# KiCad board keyboard.kicad_pcb
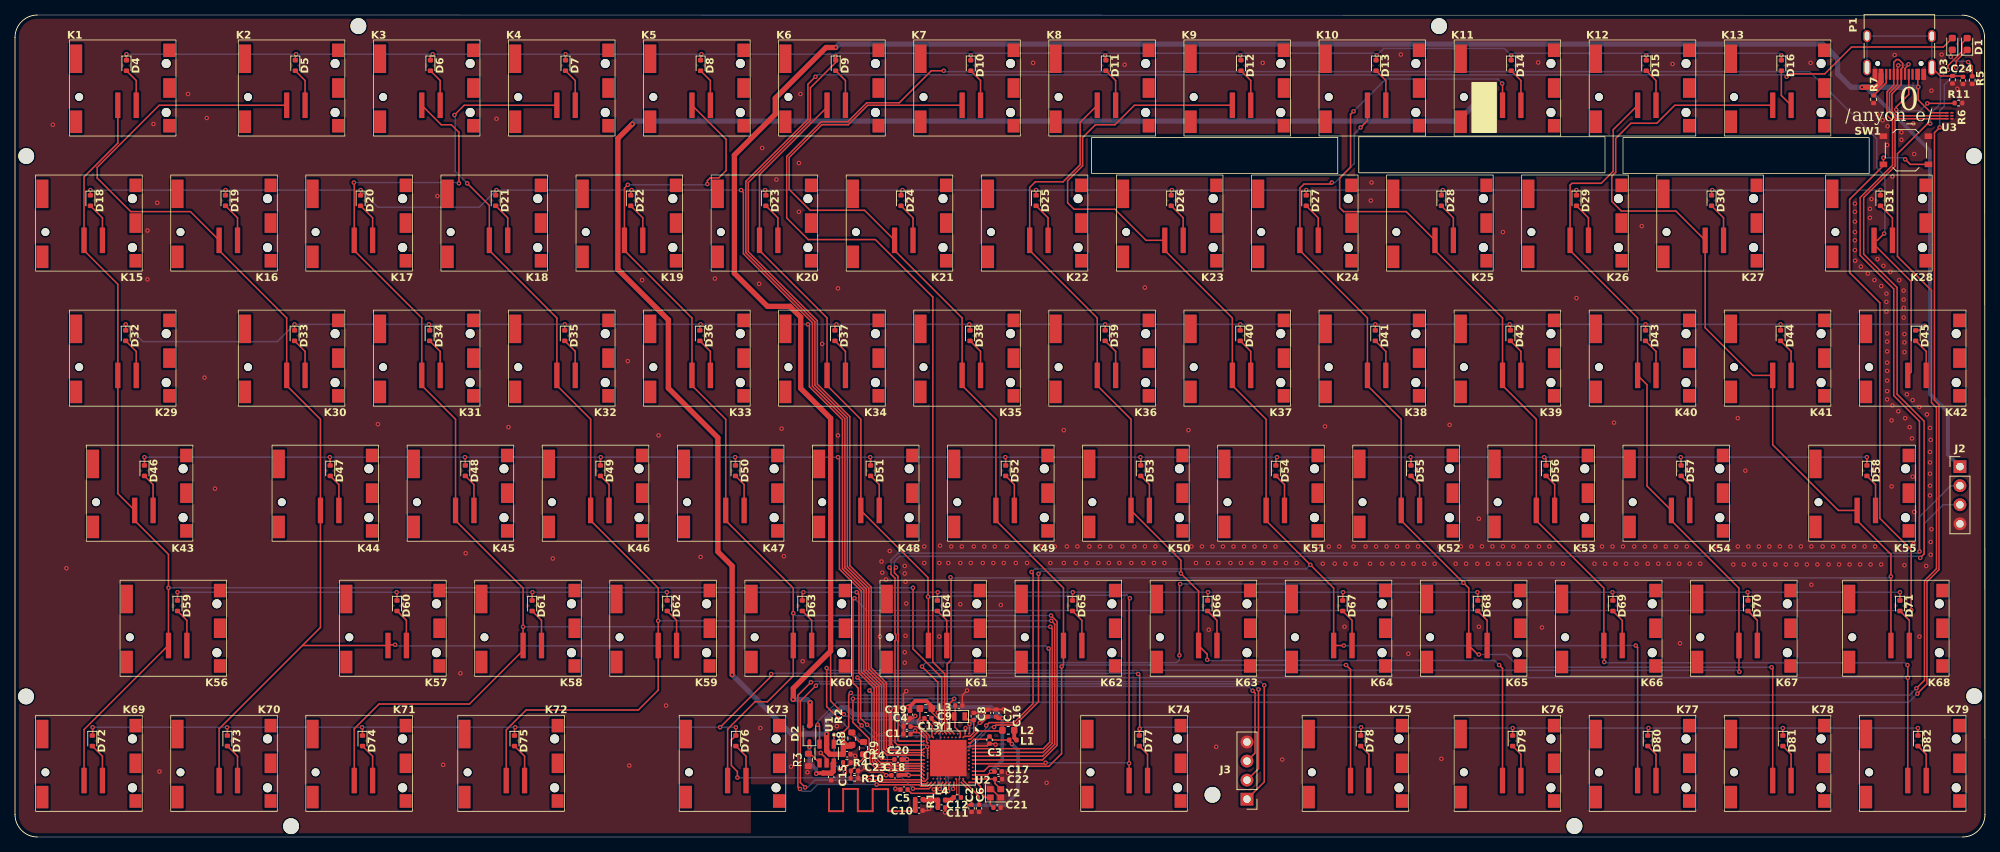
[diagram p0: board, top side]
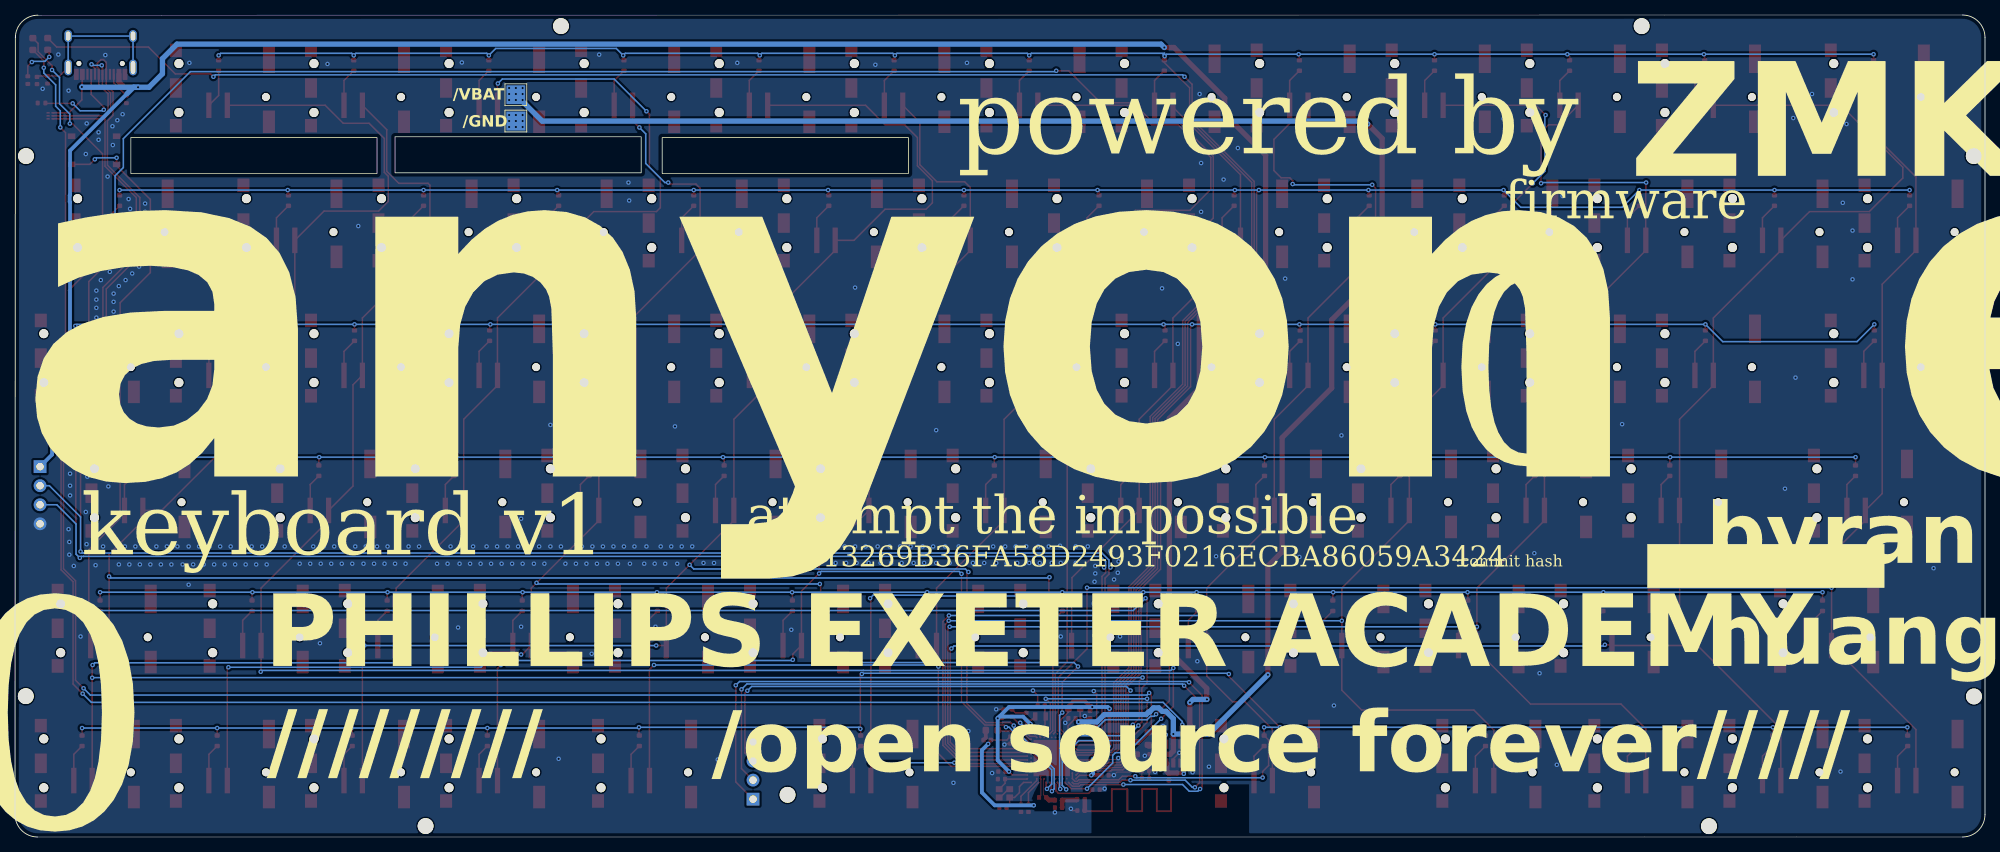
[diagram p1: board, bottom side, seen from below]

Outline 262.48 x 109.55 mm; copper layers: Top, Bottom. Coordinates in mm from the lower left corner of the outline.
Outline path: rectangle 143.45,93.22 176.25,88.42 ; rectangle 179.05,93.32 211.85,88.52 ; rectangle 214.25,93.22 247.05,88.42 ; 0,106.55 arc(0.88,108.67) 3,109.55 42.65,109.55 242.98,109.53 259.43,109.53 arc(261.56,108.65) 262.43,106.53 262.48,3 arc(261.6,0.88) 259.48,0 3,0 arc(0.88,0.88) 0,3 0,106.55

## Placement (name value [footprint] x y rotation side)
AE1  Antenna  [2.4GHz-meander-antenna-v2]  113.34 4.91 0 top
C1  4.7uF  [C_0402_1005Metric]  118.85 13.72 0 top
C2  1uF  [C_0402_1005Metric]  127.45 3.82 90 top
C3  47nF  [C_0402_1005Metric]  129.85 12.92 90 top
C4  4.7uF  [C_0402_1005Metric]  118.85 14.72 180 top
C5  1nF  [C_0402_1005Metric]  118.45 6.32 180 top
C6  100pF  [C_0402_1005Metric]  128.45 3.82 270 top
C7  100nF  [C_0402_1005Metric]  129.65 16.52 90 top
C8  15pF  [C_0402_1005Metric]  127.75 16.07 270 top
C9  15pF  [C_0402_1005Metric]  125.75 17.52 180 top
C10  1.5pF  [C_0402_1005Metric]  120.45 3.52 180 top
C11  1pF  [C_0402_1005Metric]  123.45 3.92 180 top
C12  1pF  [C_0402_1005Metric]  125.55 5.27 180 top
C13  4.7uF  [C_0402_1005Metric]  121.65 15.82 180 top
C14  1uF  [C_0402_1005Metric]  110.84 11.02 0 top
C15  1uF  [C_0402_1005Metric]  108.75 8.02 270 top
C16  100nF  [C_0402_1005Metric]  130.75 16.52 270 top
C17  100nF  [C_0402_1005Metric]  131 8.72 180 top
C18  100nF  [C_0402_1005Metric]  117.25 8.22 0 top
C19  4.7uF  [C_0402_1005Metric]  119.25 16.32 90 top
C20  1uF  [C_0402_1005Metric]  117.65 10.32 0 top
C21  15pF  [C_0402_1005Metric]  130.85 3.92 0 top
C22  15pF  [C_0402_1005Metric]  131.05 7.72 0 top
C23  10nF  [C_0402_1005Metric]  111.85 8.82 180 top
C24  1000pF/NC  [C_0402_1005Metric]  259.55 100.82 270 top
D1  CHG  [LED_0603_1608Metric]  260.11 105.68 90 top
D2  B5819W SL  [D_SOD-323]  105.85 13.77 90 top
D3  BLUE  [LED_0603_1608Metric]  258.13 105.69 90 top
D4  D  [D_SOD-523]  14.85 102.82 270 top
D5  D  [D_SOD-523]  37.35 102.82 270 top
D6  D  [D_SOD-523]  55.35 102.82 270 top
D7  D  [D_SOD-523]  73.35 102.82 270 top
D8  D  [D_SOD-523]  91.35 102.82 270 top
D9  D  [D_SOD-523]  109.35 102.82 270 top
D10  D  [D_SOD-523]  127.35 102.82 270 top
D11  D  [D_SOD-523]  145.35 102.82 270 top
D12  D  [D_SOD-523]  163.35 102.82 270 top
D13  D  [D_SOD-523]  181.35 102.82 270 top
D14  D  [D_SOD-523]  199.35 102.82 270 top
D15  D  [D_SOD-523]  217.35 102.82 270 top
D16  D  [D_SOD-523]  235.35 102.82 270 top
D18  D  [D_SOD-523]  10.05 84.82 270 top
D19  D  [D_SOD-523]  28.05 84.82 270 top
D20  D  [D_SOD-523]  46.05 84.82 270 top
D21  D  [D_SOD-523]  64.05 84.82 270 top
D22  D  [D_SOD-523]  82.05 84.82 270 top
D23  D  [D_SOD-523]  100.05 84.82 270 top
D24  D  [D_SOD-523]  118.05 84.82 270 top
D25  D  [D_SOD-523]  136.05 84.82 270 top
D26  D  [D_SOD-523]  154.05 84.82 270 top
D27  D  [D_SOD-523]  172.05 84.82 270 top
D28  D  [D_SOD-523]  190.05 84.82 270 top
D29  D  [D_SOD-523]  208.05 84.82 270 top
D30  D  [D_SOD-523]  226.05 84.82 270 top
D31  D  [D_SOD-523]  248.55 84.82 270 top
D32  D  [D_SOD-523]  14.75 66.82 270 top
D33  D  [D_SOD-523]  37.25 66.82 270 top
D34  D  [D_SOD-523]  55.25 66.82 270 top
D35  D  [D_SOD-523]  73.25 66.82 270 top
D36  D  [D_SOD-523]  91.25 66.82 270 top
D37  D  [D_SOD-523]  109.25 66.82 270 top
D38  D  [D_SOD-523]  127.25 66.82 270 top
D39  D  [D_SOD-523]  145.25 66.82 270 top
D40  D  [D_SOD-523]  163.25 66.82 270 top
D41  D  [D_SOD-523]  181.25 66.82 270 top
D42  D  [D_SOD-523]  199.25 66.82 270 top
D43  D  [D_SOD-523]  217.25 66.82 270 top
D44  D  [D_SOD-523]  235.25 66.82 270 top
D45  D  [D_SOD-523]  253.25 66.82 270 top
D46  D  [D_SOD-523]  17.25 48.82 270 top
D47  D  [D_SOD-523]  42 48.82 270 top
D48  D  [D_SOD-523]  60 48.82 270 top
D49  D  [D_SOD-523]  78 48.82 270 top
D50  D  [D_SOD-523]  96 48.82 270 top
D51  D  [D_SOD-523]  114 48.82 270 top
D52  D  [D_SOD-523]  132 48.82 270 top
D53  D  [D_SOD-523]  150 48.82 270 top
D54  D  [D_SOD-523]  168 48.82 270 top
D55  D  [D_SOD-523]  186 48.82 270 top
D56  D  [D_SOD-523]  204 48.82 270 top
D57  D  [D_SOD-523]  222 48.82 270 top
D58  D  [D_SOD-523]  246.75 48.82 270 top
D59  D  [D_SOD-523]  21.65 30.82 270 top
D60  D  [D_SOD-523]  50.9 30.82 270 top
D61  D  [D_SOD-523]  68.9 30.82 270 top
D62  D  [D_SOD-523]  86.9 30.82 270 top
D63  D  [D_SOD-523]  104.9 30.82 270 top
D64  D  [D_SOD-523]  122.9 30.82 270 top
D65  D  [D_SOD-523]  140.9 30.82 270 top
D66  D  [D_SOD-523]  158.9 30.82 270 top
D67  D  [D_SOD-523]  176.9 30.82 270 top
D68  D  [D_SOD-523]  194.9 30.82 270 top
D69  D  [D_SOD-523]  212.9 30.82 270 top
D70  D  [D_SOD-523]  230.9 30.82 270 top
D71  D  [D_SOD-523]  251.15 30.82 270 top
D72  D  [D_SOD-523]  10.3 12.82 270 top
D73  D  [D_SOD-523]  28.3 12.82 270 top
D74  D  [D_SOD-523]  46.3 12.82 270 top
D75  D  [D_SOD-523]  66.55 12.82 270 top
D76  D  [D_SOD-523]  96.05 12.82 270 top
D77  D  [D_SOD-523]  149.8 12.82 270 top
D78  D  [D_SOD-523]  179.3 12.82 270 top
D79  D  [D_SOD-523]  199.55 12.82 270 top
D80  D  [D_SOD-523]  217.55 12.82 270 top
D81  D  [D_SOD-523]  235.55 12.82 270 top
D82  D  [D_SOD-523]  253.55 12.82 270 top
H9  M2  [M2_No_Padding]  159.55 5.62 0 top
H10  M2  [M2_No_Padding]  1.47 18.73 0 top
H11  M2  [M2_No_Padding]  207.78 1.46 0 top
H13  M2  [M2_No_Padding]  1.5 90.75 0 top
H14  M2  [M2_No_Padding]  261.05 18.77 0 top
H16  M2  [M2_No_Padding]  45.75 108.07 0 top
H18  M2  [M2_No_Padding]  189.74 108.07 0 top
H20  M2  [M2_No_Padding]  36.78 1.44 0 top
H21  M2  [M2_No_Padding]  261.02 90.75 0 top
J2  USB POGO  [PinHeader_1x04_P2.54mm_Vertical]  259.15 49.36 0 top  (not fitted)
J3  Debug  [PinHeader_1x04_P2.54mm_Vertical]  164.15 5.04 180 top  (not fitted)
K1  Esc  [Cherry_ULP_SMD]  14.35 99.82 0 top
K2  F1  [Cherry_ULP_SMD]  36.85 99.82 0 top
K3  F2  [Cherry_ULP_SMD]  54.85 99.82 0 top
K4  F3  [Cherry_ULP_SMD]  72.85 99.82 0 top
K5  F4  [Cherry_ULP_SMD]  90.85 99.82 0 top
K6  F5  [Cherry_ULP_SMD]  108.85 99.82 0 top
K7  F6  [Cherry_ULP_SMD]  126.85 99.82 0 top
K8  F7  [Cherry_ULP_SMD]  144.85 99.82 0 top
K9  F8  [Cherry_ULP_SMD]  162.85 99.82 0 top
K10  F9  [Cherry_ULP_SMD]  180.85 99.82 0 top
K11  F10  [Cherry_ULP_SMD]  198.85 99.82 0 top
K12  F11  [Cherry_ULP_SMD]  216.85 99.82 0 top
K13  F12  [Cherry_ULP_SMD]  234.85 99.82 0 top
K15  ~~,`  [Cherry_ULP_SMD]  9.85 81.82 0 top
K16  !,1  [Cherry_ULP_SMD]  27.85 81.82 0 top
K17  @,2  [Cherry_ULP_SMD]  45.85 81.82 0 top
K18  #,3  [Cherry_ULP_SMD]  63.85 81.82 0 top
K19  $,4  [Cherry_ULP_SMD]  81.85 81.82 0 top
K20  %,5  [Cherry_ULP_SMD]  99.85 81.82 0 top
K21  ^,6  [Cherry_ULP_SMD]  117.85 81.82 0 top
K22  &,7  [Cherry_ULP_SMD]  135.85 81.82 0 top
K23  *,8  [Cherry_ULP_SMD]  153.85 81.82 0 top
K24  (,9  [Cherry_ULP_SMD]  171.85 81.82 0 top
K25  ),0  [Cherry_ULP_SMD]  189.85 81.82 0 top
K26  _,-  [Cherry_ULP_SMD]  207.85 81.82 0 top
K27  +,=  [Cherry_ULP_SMD]  225.85 81.82 0 top
K28  Backspace  [Cherry_ULP_SMD]  248.35 81.82 0 top
K29  Tab  [Cherry_ULP_SMD]  14.35 63.82 0 top
K30  Q  [Cherry_ULP_SMD]  36.85 63.82 0 top
K31  W  [Cherry_ULP_SMD]  54.85 63.82 0 top
K32  E  [Cherry_ULP_SMD]  72.85 63.82 0 top
K33  R  [Cherry_ULP_SMD]  90.85 63.82 0 top
K34  T  [Cherry_ULP_SMD]  108.85 63.82 0 top
K35  Y  [Cherry_ULP_SMD]  126.85 63.82 0 top
K36  U  [Cherry_ULP_SMD]  144.85 63.82 0 top
K37  I  [Cherry_ULP_SMD]  162.85 63.82 0 top
K38  O  [Cherry_ULP_SMD]  180.85 63.82 0 top
K39  P  [Cherry_ULP_SMD]  198.85 63.82 0 top
K40  {,[  [Cherry_ULP_SMD]  216.85 63.82 0 top
K41  },]  [Cherry_ULP_SMD]  234.85 63.82 0 top
K42  |,\  [Cherry_ULP_SMD]  252.85 63.82 0 top
K43  Caps Lock  [Cherry_ULP_SMD]  16.6 45.82 0 top
K44  A  [Cherry_ULP_SMD]  41.35 45.82 0 top
K45  S  [Cherry_ULP_SMD]  59.35 45.82 0 top
K46  D  [Cherry_ULP_SMD]  77.35 45.82 0 top
K47  F  [Cherry_ULP_SMD]  95.35 45.82 0 top
K48  G  [Cherry_ULP_SMD]  113.35 45.82 0 top
K49  H  [Cherry_ULP_SMD]  131.35 45.82 0 top
K50  J  [Cherry_ULP_SMD]  149.35 45.82 0 top
K51  K  [Cherry_ULP_SMD]  167.35 45.82 0 top
K52  L  [Cherry_ULP_SMD]  185.35 45.82 0 top
K53  :,;  [Cherry_ULP_SMD]  203.35 45.82 0 top
K54  ",'  [Cherry_ULP_SMD]  221.35 45.82 0 top
K55  Enter  [Cherry_ULP_SMD]  246.1 45.82 0 top
K56  Shift  [Cherry_ULP_SMD]  21.1 27.82 0 top
K57  Z  [Cherry_ULP_SMD]  50.35 27.82 0 top
K58  X  [Cherry_ULP_SMD]  68.35 27.82 0 top
K59  C  [Cherry_ULP_SMD]  86.35 27.82 0 top
K60  V  [Cherry_ULP_SMD]  104.35 27.82 0 top
K61  B  [Cherry_ULP_SMD]  122.35 27.82 0 top
K62  N  [Cherry_ULP_SMD]  140.35 27.82 0 top
K63  M  [Cherry_ULP_SMD]  158.35 27.82 0 top
K64  <,,  [Cherry_ULP_SMD]  176.35 27.82 0 top
K65  >,.  [Cherry_ULP_SMD]  194.35 27.82 0 top
K66  ?,/  [Cherry_ULP_SMD]  212.35 27.82 0 top
K67  ↑  [Cherry_ULP_SMD]  230.35 27.82 0 top
K68  Shift  [Cherry_ULP_SMD]  250.6 27.82 0 top
K69  Fn  [Cherry_ULP_SMD]  9.85 9.82 0 top
K70  Ctrl  [Cherry_ULP_SMD]  27.85 9.82 0 top
K71  Alt  [Cherry_ULP_SMD]  45.85 9.82 0 top
K72  Meta  [Cherry_ULP_SMD]  66.1 9.82 0 top
K73  Space  [Cherry_ULP_SMD]  95.6 9.82 0 top
K74  Space  [Cherry_ULP_SMD]  149.1 9.82 0 top
K75  Meta  [Cherry_ULP_SMD]  178.6 9.82 0 top
K76  Alt  [Cherry_ULP_SMD]  198.85 9.82 0 top
K77  ←  [Cherry_ULP_SMD]  216.85 9.82 0 top
K78  ↓  [Cherry_ULP_SMD]  234.85 9.82 0 top
K79  →  [Cherry_ULP_SMD]  252.85 9.82 0 top
L1  15nH  [L_0402_1005Metric]  132.95 12.92 0 top
L2  10uH  [L_0603_1608Metric]  132.35 14.22 180 top
L3  10uH  [L_0603_1608Metric]  121.35 17.12 180 top
L4  3.9nH  [L_0402_1005Metric]  123.45 4.92 0 top
NT1  NetTie_2  [net-tie-2-tiny]  125.85 8.02 90 top
P1  USB-C  [USB_C_Receptacle_HRO_TYPE-C-31-M-12]  251.08 105.69 180 top
R1  0R  [R_0402_1005Metric]  120.45 5.02 180 top
R2  10k  [R_0402_1005Metric]  110.19 13.29 90 top
R3  2.7k  [R_0603_1608Metric]  105.72 10.27 90 top
R4  10k  [R_0402_1005Metric]  110.84 9.92 180 top
R5  1.5k  [R_0402_1005Metric]  260.78 100.87 90 top
R6  5.1k  [R_0402_1005Metric]  258.95 97.82 0 top
R7  5.1k  [R_0402_1005Metric]  247.64 98.31 270 top
R8  2M  [R_0603_1608Metric]  111.5 13.11 90 top
R9  2M  [R_0603_1608Metric]  113.06 11.84 270 top
R10  10M  [R_0402_1005Metric]  111.85 7.82 0 top
R11  1M  [R_0402_1005Metric]  258.15 100.92 90 top
SW1  Reset  [SW_Push_1P1T_XKB_TS-1187A]  251.95 91.52 180 top
TP5  VBAT  [TestPoint_Pad_2.5x2.5mm]  195.75 98.92 0 bottom
TP6  BAT GND  [TestPoint_Pad_2.5x2.5mm]  195.75 95.42 0 bottom
U1  BQ21040DBVR  [SOT95P280X145-6N]  108.15 11.12 270 top
U2  nRF52840  [Nordic_AQFN-73-1EP_7x7mm_P0.5mm]  124.35 10.52 270 top
U3  ESDR0502NMUTAG  [UDFN-6_1.2x1.0mm_P0.4mm]  257.75 96.12 180 top
Y1  32.768 kHz  [Crystal_SMD_2012-2Pin_2.0x1.2mm]  125.85 16.07 180 top
Y2  32MHz  [Crystal_SMD_2016-4Pin_2.0x1.6mm]  130.65 5.82 0 top

## Library data of the parts
C1 C4 C13 C19 = -: Manufacturer Part: CL05A475KP5NRNC; LCSC: C23733; ki_fp_filters: C_*
C2 C14 C15 C20 = -: Manufacturer Part: CL05A105KO5NNNC; LCSC: C52923; ki_fp_filters: C_*
C3 = -: Manufacturer Part: CL05B473KO5NNNC; LCSC: C272875; ki_fp_filters: C_*
C5 = -: Manufacturer Part: CL05B102KB5NNNC; LCSC: C1523; ki_fp_filters: C_*
C6 = -: Manufacturer Part: CL05C101JB5NNNC; LCSC: C1546; ki_fp_filters: C_*
C7 C16-C18 = -: Manufacturer Part: CL05B104KA5NNNC; LCSC: C307331; ki_fp_filters: C_*
C8 C9 C21 C22 = -: Manufacturer Part: CL05C150JB51PNC; LCSC: C1548; ki_fp_filters: C_*
C10 = -: Manufacturer Part: CL05C1R5CB5NNNC; LCSC: C1552; ki_fp_filters: C_*
C11 C12 = -: Manufacturer Part: CL05C010CB5NNNC; LCSC: C1550; ki_fp_filters: C_*
C23 = -: Manufacturer Part: CL05B103KB5NNNC; LCSC: C15195; ki_fp_filters: C_*
C24 = -: Description: Unpolarized capacitor, small symbol; ki_fp_filters: C_*
D1 = -: Manufacturer Part: 19-217/S2C-AQ1R1B/3T; LCSC: C72038; ki_fp_filters: LED* LED_SMD:* LED_THT:*
D2 = -: Manufacturer Part: PMEG4010CEJ; LCSC: C8598; ki_fp_filters: TO-???* *_Diode_* *SingleDiode* D_*
D3 = -: Manufacturer Part: 19-217/BHC-ZL1M2RY/3T; LCSC: C2290; ki_fp_filters: LED* LED_SMD:* LED_THT:*
D4-D16 D18-D82 = -: LCSC: C7420320; ki_fp_filters: TO-???* *_Diode_* *SingleDiode* D_*
H9-H11 H13 H14 H16 H18 H20 H21 = -: Description: Mounting Hole without connection; ki_fp_filters: MountingHole*
J2 J3 = -: Description: Generic connector, single row, 01x04, script generated (kicad-library-utils/schlib/autogen/connector/); ki_fp_filters: Connector*:*_1x??_*
L1 = -: Manufacturer Part: MLG1005S15NJT000; LCSC: C27143; ki_fp_filters: Choke_* *Coil* Inductor_* L_*
L2 L3 = -: Manufacturer Part: MLF1608E100KTD00; LCSC: C285968; ki_fp_filters: Choke_* *Coil* Inductor_* L_*
L4 = -: Manufacturer Part: MLG1005S3N9BT000; LCSC: C14033; ki_fp_filters: Choke_* *Coil* Inductor_* L_*
NT1 = -: ki_fp_filters: Net*Tie*
P1 = -: Datasheet: https://www.usb.org/sites/default/files/documents/usb_type-c.zip; Description: USB 2.0-only Type-C Plug connector; LCSC: C165948; ki_fp_filters: USB*C*Plug*
R1 = -: Manufacturer Part: RC0402FR-070RL; LCSC: C17168; ki_fp_filters: R_*
R2 R4 = -: Manufacturer Part: RC0402FR-0710KL; LCSC: C25744; ki_fp_filters: R_*
R3 = -: Manufacturer Part: RC0402FR-0710KL; LCSC: C13167; ki_fp_filters: R_*
R5 = -: Manufacturer Part: RC0402FR-071K5L; LCSC: C25867; ki_fp_filters: R_*
R6 R7 = -: Manufacturer Part: RC0402FR-075K1L; LCSC: C25905; ki_fp_filters: R_*
R8 R9 = -: Manufacturer Part: RC0402FR-072ML; LCSC: C22976; ki_fp_filters: R_*
R10 = -: Manufacturer Part: RC0402FR-0710ML; LCSC: C26082; ki_fp_filters: R_*
R11 = -: Description: Resistor, small symbol; LCSC: C26083; ki_fp_filters: R_*
SW1 = -: Description: Push button switch, generic, two pins; LCSC: C318884
TP5 TP6 = -: Description: test point; ki_fp_filters: Pin* Test*
U1 = -: MF: Texas Instruments; Description_1: 1-cell, 0.8-A Li-ion and Li-polymer battery charger; Package: SOT-23-6 Texas Instruments; Price: None; SnapEDA_Link: https://www.snapeda.com/parts/BQ21040DBVR/Texas+Instruments/view-part/?ref=snap; Purchase-URL: https://www.snapeda.com/api/url_track_click_mouser/?unipart_id=505197&manufacturer=Texas Instruments&part_name=BQ21040DBVR&search_term=None; Availability: In Stock; Check_prices: https://www.snapeda.com/parts/BQ21040DBVR/Texas+Instruments/view-part/?ref=eda; LCSC: C202311
U2 = -: Datasheet: http://infocenter.nordicsemi.com/topic/com.nordic.infocenter.nrf52/dita/nrf52/chips/nrf52840.html; Manufacturer Part: NRF52840-QIAA-R; LCSC: C190794; ki_fp_filters: Nordic*AQFN*1EP*7x7mm*P0.5mm*
U3 = -: Datasheet: http://www.onsemi.cn/pub_link/Collateral/ESDR0502N-D.PDF; Manufacturer Part: ESDR0502NMUTBG; LCSC: C327480
Y1 = -: Manufacturer Part: SC20S-12.5PF20PPM; LCSC: C99009; ki_fp_filters: Crystal*
Y2 = -: Manufacturer Part: Q22FA1280001800; LCSC: C2965584; ki_fp_filters: Crystal*

## Footprints (pads in the part's own frame, mm; a bottom-side part is the same pattern mirrored in y, then rotated)
2.4GHz-meander-antenna-v2
  round 0.2 smd: 1(6.5,-1.5)
C_0402_1005Metric
  rrect 0.56x0.62 smd: 1(-0.48,0) 2(0.48,0)
Cherry_ULP_SMD
  round 1.05 hole 1.05 unplated: (-5.8,-1.2)
  round 1.2 hole 1.2 unplated: (5.8,3.26) (5.8,-3.26)
  rect 0.7x3.4 smd: 1(-0.65,-2.3) 2(1.8,-2.3)
  rect 1.6x3.8 smd: 3(-6.2,3.9)
  rect 1.6x3 smd: 3(-6.2,-4.5)
  rect 1.6x1.8 smd: 3(6.2,5.025) 3(6.2,-5.025)
  rect 1.6x2.6 smd: 3(6.2,0)
Crystal_SMD_2012-2Pin_2.0x1.2mm
  rect 0.6x1.1 smd: 1(-0.7,0) 2(0.7,0)
Crystal_SMD_2016-4Pin_2.0x1.6mm
  rect 0.9x0.8 smd: 1(-0.7,-0.55) 2(0.7,-0.55) 3(0.7,0.55) 4(-0.7,0.55)
D_SOD-323
  rrect 0.6x0.45 smd: 1(-1.05,0) 2(1.05,0)
D_SOD-523
  rrect 0.6x0.7 smd: 1(-0.7,0) 2(0.7,0)
L_0402_1005Metric
  rrect 0.59x0.64 smd: 1(-0.485,0) 2(0.485,0)
L_0603_1608Metric
  rrect 0.875x0.95 smd: 1(-0.787,0) 2(0.787,0)
LED_0603_1608Metric
  rrect 0.875x0.95 smd: 1(-0.787,0) 2(0.787,0)
M2_No_Padding
  round 2.1 hole 2.1 unplated: (0,0)
net-tie-2-tiny
  round 0.15 smd: 1(-0.15,0) 2(0.15,0)
Nordic_AQFN-73-1EP_7x7mm_P0.5mm
  rect 2x2 smd: (-1.212,1.212) (-1.212,-1.212) (1.212,1.212) (1.212,-1.212)
  round 0.25 smd: A8(-1.25,3.25) A10(-0.75,3.25) A12(-0.25,3.25) A14(0.25,3.25) A16(0.75,3.25) A18(1.25,3.25) A20(1.75,3.25) A22(2.25,3.25) A23(2.75,3.25) AA24(3.25,-2.25) AB2(-2.75,-2.5) AC5(-2,-2.75) AC9(-1,-2.75) AC11(-0.5,-2.75) AC13(0,-2.75) AC15(0.5,-2.75) AC17(1,-2.75) AC19(1.5,-2.75) AC21(2,-2.75) AC24(3.25,-2.75) AD2(-2.75,-3.25) AD4(-2.25,-3.25) AD6(-1.75,-3.25) AD8(-1.25,-3.25) AD10(-0.75,-3.25) AD12(-0.25,-3.25) AD14(0.25,-3.25) AD16(0.75,-3.25) AD18(1.25,-3.25) AD20(1.75,-3.25) AD22(2.25,-3.25) AD23(2.75,-3.25) B1(-3.25,2.75) B3(-2.5,2.75) B5(-2,2.75) B7(-1.5,2.75) B9(-1,2.75) B11(-0.5,2.75) B13(0,2.75) B15(0.5,2.75) B17(1,2.75) B19(1.5,2.75) B24(3.25,2.75) C1(-3.25,2.25) D2(-2.75,2) D23(2.75,2) E24(3.25,1.75) F2(-2.75,1.5) F23(2.75,1.5) G1(-3.25,1.25) H2(-2.75,1) H23(2.75,1) J1(-3.25,0.75) J24(3.25,0.75) K2(-2.75,0.5) L1(-3.25,0.25) L24(3.25,0.25) M2(-2.75,0) N1(-3.25,-0.25) N24(3.25,-0.25) P2(-2.75,-0.5) P23(2.75,-0.5) R1(-3.25,-0.75) R24(3.25,-0.75) T2(-2.75,-1) T23(2.75,-1) U1(-3.25,-1.25) U24(3.25,-1.25) V23(2.75,-1.5) W1(-3.25,-1.75) W24(3.25,-1.75) Y2(-2.75,-2) Y23(2.75,-2)
  rect 4.85x4.85 smd: EP(0,0)
PinHeader_1x04_P2.54mm_Vertical
  rect 1.7x1.7 hole 1: 1(0,0)
  oval 1.7x1.7 hole 1: 2(0,-2.54) 3(0,-5.08) 4(0,-7.62)
R_0402_1005Metric
  rrect 0.54x0.64 smd: 1(-0.51,0) 2(0.51,0)
R_0603_1608Metric
  rrect 0.8x0.95 smd: 1(-0.825,0) 2(0.825,0)
SOT95P280X145-6N
  rrect 1.21x0.58 smd: 1(-1.255,0.95) 2(-1.255,0) 3(-1.255,-0.95) 4(1.255,-0.95) 5(1.255,0) 6(1.255,0.95)
SW_Push_1P1T_XKB_TS-1187A
  rect 1x0.75 smd: 1(-3,1.875) 1(3,1.875) 2(-3,-1.875) 2(3,-1.875)
TestPoint_Pad_2.5x2.5mm
  rect 2.5x2.5 smd: 1(0,0)
UDFN-6_1.2x1.0mm_P0.4mm
  rect 0.42x0.22 smd: 1(-0.325,0.4) 2(-0.325,0) 3(-0.325,-0.4) 4(0.325,-0.4) 5(0.325,0) 6(0.325,0.4)
USB_C_Receptacle_HRO_TYPE-C-31-M-12
  round 0.65 hole 0.65 unplated: (-2.89,2.6) (2.89,2.6)
  rect 0.6x1.45 smd: A1(-3.25,4.045) A4(-2.45,4.045) A9(2.45,4.045) A12(3.25,4.045) B1(3.25,4.045) B4(2.45,4.045) B9(-2.45,4.045) B12(-3.25,4.045)
  rect 0.3x1.45 smd: A5(-1.25,4.045) A6(-0.25,4.045) A7(0.25,4.045) A8(1.25,4.045) B5(1.75,4.045) B6(0.75,4.045) B7(-0.75,4.045) B8(-1.75,4.045)
  oval 1x2.1 hole 0.6x1.7: S1(-4.32,3.13) S1(4.32,3.13)
  oval 1x1.6 hole 0.6x1.2: S1(-4.32,-1.05) S1(4.32,-1.05)

## Nets
GND: C1.1 C2.1 C3.1 C4.2 C5.2 C6.2 C7.2 C8.1 C9.1 C10.1 C11.1 C13.1 C14.2 C15.2 C16.1 C17.1 C18.1 C19.1 C20.1 C21.2 C22.2 C23.1 C24.2 J2.4 J3.4 NT1.2 P1.A1 P1.A12 P1.B1 P1.B12 R3.1 R4.1 R5.1 R6.2 R7.2 R10.2 R11.1 SW1.2 TP6.1 U1.5 U2.B7 U2.EP U3.1 Y2.2 Y2.4
VBAT: C13.2 C14.1 R2.1 R8.1 TP5.1 U1.2 U2.Y2
VBUS: C1.2 D2.2 J2.1 P1.A4 P1.A9 P1.B4 P1.B9 U2.AD2 U3.4
VDD_NRF: C16.2 C17.2 C18.2 C19.2 C20.2 L3.1 U2.A22 U2.AD14 U2.AD23 U2.B1 U2.W1
VSS_PA: C12.1 NT1.1 U2.F23
/Key Matrix/Col_0: K1.1 K15.1 K29.1 K43.1 K56.1 K69.1 U2.U1
/Key Matrix/Col_1: K2.1 K16.1 K30.1 K44.1 K57.1 K70.1 U2.A8
/Key Matrix/Col_2: K3.1 K17.1 K31.1 K45.1 K58.1 K71.1 U2.A10
/Key Matrix/Col_3: K4.1 K18.1 K32.1 K46.1 K59.1 K72.1 U2.A12
/Key Matrix/Col_4: K5.1 K19.1 K33.1 K47.1 K60.1 K73.1 U2.A14
/Key Matrix/Col_5: K6.1 K20.1 K34.1 K48.1 K61.1 K74.1 U2.A16
/Key Matrix/Col_6: K7.1 K21.1 K35.1 K49.1 K62.1 K75.1 U2.A20
/Key Matrix/Col_7: K8.1 K22.1 K36.1 K50.1 K63.1 K76.1 U2.J24
/Key Matrix/Col_8: K9.1 K23.1 K37.1 K51.1 K64.1 K77.1 U2.L24
/Key Matrix/Col_9: K10.1 K24.1 K38.1 K52.1 K65.1 K78.1 U2.R24
/Key Matrix/Col_10: K11.1 K25.1 K39.1 K53.1 K66.1 K79.1 U2.U24
/Key Matrix/Col_11: K12.1 K26.1 K40.1 K54.1 K67.1 U2.W24
/Key Matrix/Col_12: K13.1 K27.1 K41.1 K55.1 K68.1 U2.L1
/Key Matrix/Col_13: K28.1 K42.1 U2.N1
/Key Matrix/Row_0: D4.1 D5.1 D6.1 D7.1 D8.1 D9.1 D10.1 D11.1 D12.1 D13.1 D14.1 D15.1 D16.1 U2.AD8
/Key Matrix/Row_1: D18.1 D19.1 D20.1 D21.1 D22.1 D23.1 D24.1 D25.1 D26.1 D27.1 D28.1 D29.1 D30.1 D31.1 U2.AD12
/Key Matrix/Row_2: D32.1 D33.1 D34.1 D35.1 D36.1 D37.1 D38.1 D39.1 D40.1 D41.1 D42.1 D43.1 D44.1 D45.1 U2.AD16
/Key Matrix/Row_3: D46.1 D47.1 D48.1 D49.1 D50.1 D51.1 D52.1 D53.1 D54.1 D55.1 D56.1 D57.1 D58.1 U2.AD18
/Key Matrix/Row_4: D59.1 D60.1 D61.1 D62.1 D63.1 D64.1 D65.1 D66.1 D67.1 D68.1 D69.1 D70.1 D71.1 U2.AD20
/Key Matrix/Row_5: D72.1 D73.1 D74.1 D75.1 D76.1 D77.1 D78.1 D79.1 D80.1 D81.1 D82.1 U2.AC21
/nRF52840/ANT: AE1.1 C10.2 R1.2
/nRF52840/CC1: P1.A5 R6.1
/nRF52840/CC2: P1.B5 R7.1
BAT_VOLT: C23.2 R9.2 R10.1 U2.J1
BLUE_LED: D3.2 U2.AD10
RESET: SW1.1 U2.AC9 U2.AC11 U2.AC13
SWC: J3.1 U2.AA24
SWD: J3.2 U2.AC24
SWO: J3.3 U2.AD22
USB_D+: J2.2 P1.A6 P1.B6 U2.AD6 U3.5
USB_D-: J2.3 P1.A7 P1.B7 U2.AD4 U3.6
Net-(C11-Pad2): C11.2 L4.1 R1.1
Net-(D1-A): D1.2 R2.2
Net-(D1-K): D1.1 U1.3
Net-(D2-K): C15.1 D2.1 U1.6
Net-(D3-K): D3.1 R5.2
Net-(D4-A): D4.2 K1.2
Net-(D5-A): D5.2 K2.2
Net-(D6-A): D6.2 K3.2
Net-(D7-A): D7.2 K4.2
Net-(D8-A): D8.2 K5.2
Net-(D9-A): D9.2 K6.2
Net-(D10-A): D10.2 K7.2
Net-(D11-A): D11.2 K8.2
Net-(D12-A): D12.2 K9.2
Net-(D13-A): D13.2 K10.2
Net-(D14-A): D14.2 K11.2
Net-(D15-A): D15.2 K12.2
Net-(D16-A): D16.2 K13.2
Net-(D18-A): D18.2 K15.2
Net-(D19-A): D19.2 K16.2
Net-(D20-A): D20.2 K17.2
Net-(D21-A): D21.2 K18.2
Net-(D22-A): D22.2 K19.2
Net-(D23-A): D23.2 K20.2
Net-(D24-A): D24.2 K21.2
Net-(D25-A): D25.2 K22.2
Net-(D26-A): D26.2 K23.2
Net-(D27-A): D27.2 K24.2
Net-(D28-A): D28.2 K25.2
Net-(D29-A): D29.2 K26.2
Net-(D30-A): D30.2 K27.2
Net-(D31-A): D31.2 K28.2
Net-(D32-A): D32.2 K29.2
Net-(D33-A): D33.2 K30.2
Net-(D34-A): D34.2 K31.2
Net-(D35-A): D35.2 K32.2
Net-(D36-A): D36.2 K33.2
Net-(D37-A): D37.2 K34.2
Net-(D38-A): D38.2 K35.2
Net-(D39-A): D39.2 K36.2
Net-(D40-A): D40.2 K37.2
Net-(D41-A): D41.2 K38.2
Net-(D42-A): D42.2 K39.2
Net-(D43-A): D43.2 K40.2
Net-(D44-A): D44.2 K41.2
Net-(D45-A): D45.2 K42.2
Net-(D46-A): D46.2 K43.2
Net-(D47-A): D47.2 K44.2
Net-(D48-A): D48.2 K45.2
Net-(D49-A): D49.2 K46.2
Net-(D50-A): D50.2 K47.2
Net-(D51-A): D51.2 K48.2
Net-(D52-A): D52.2 K49.2
Net-(D53-A): D53.2 K50.2
Net-(D54-A): D54.2 K51.2
Net-(D55-A): D55.2 K52.2
Net-(D56-A): D56.2 K53.2
Net-(D57-A): D57.2 K54.2
Net-(D58-A): D58.2 K55.2
Net-(D59-A): D59.2 K56.2
Net-(D60-A): D60.2 K57.2
Net-(D61-A): D61.2 K58.2
Net-(D62-A): D62.2 K59.2
Net-(D63-A): D63.2 K60.2